# KiCad board OLD_PCB.kicad_pcb
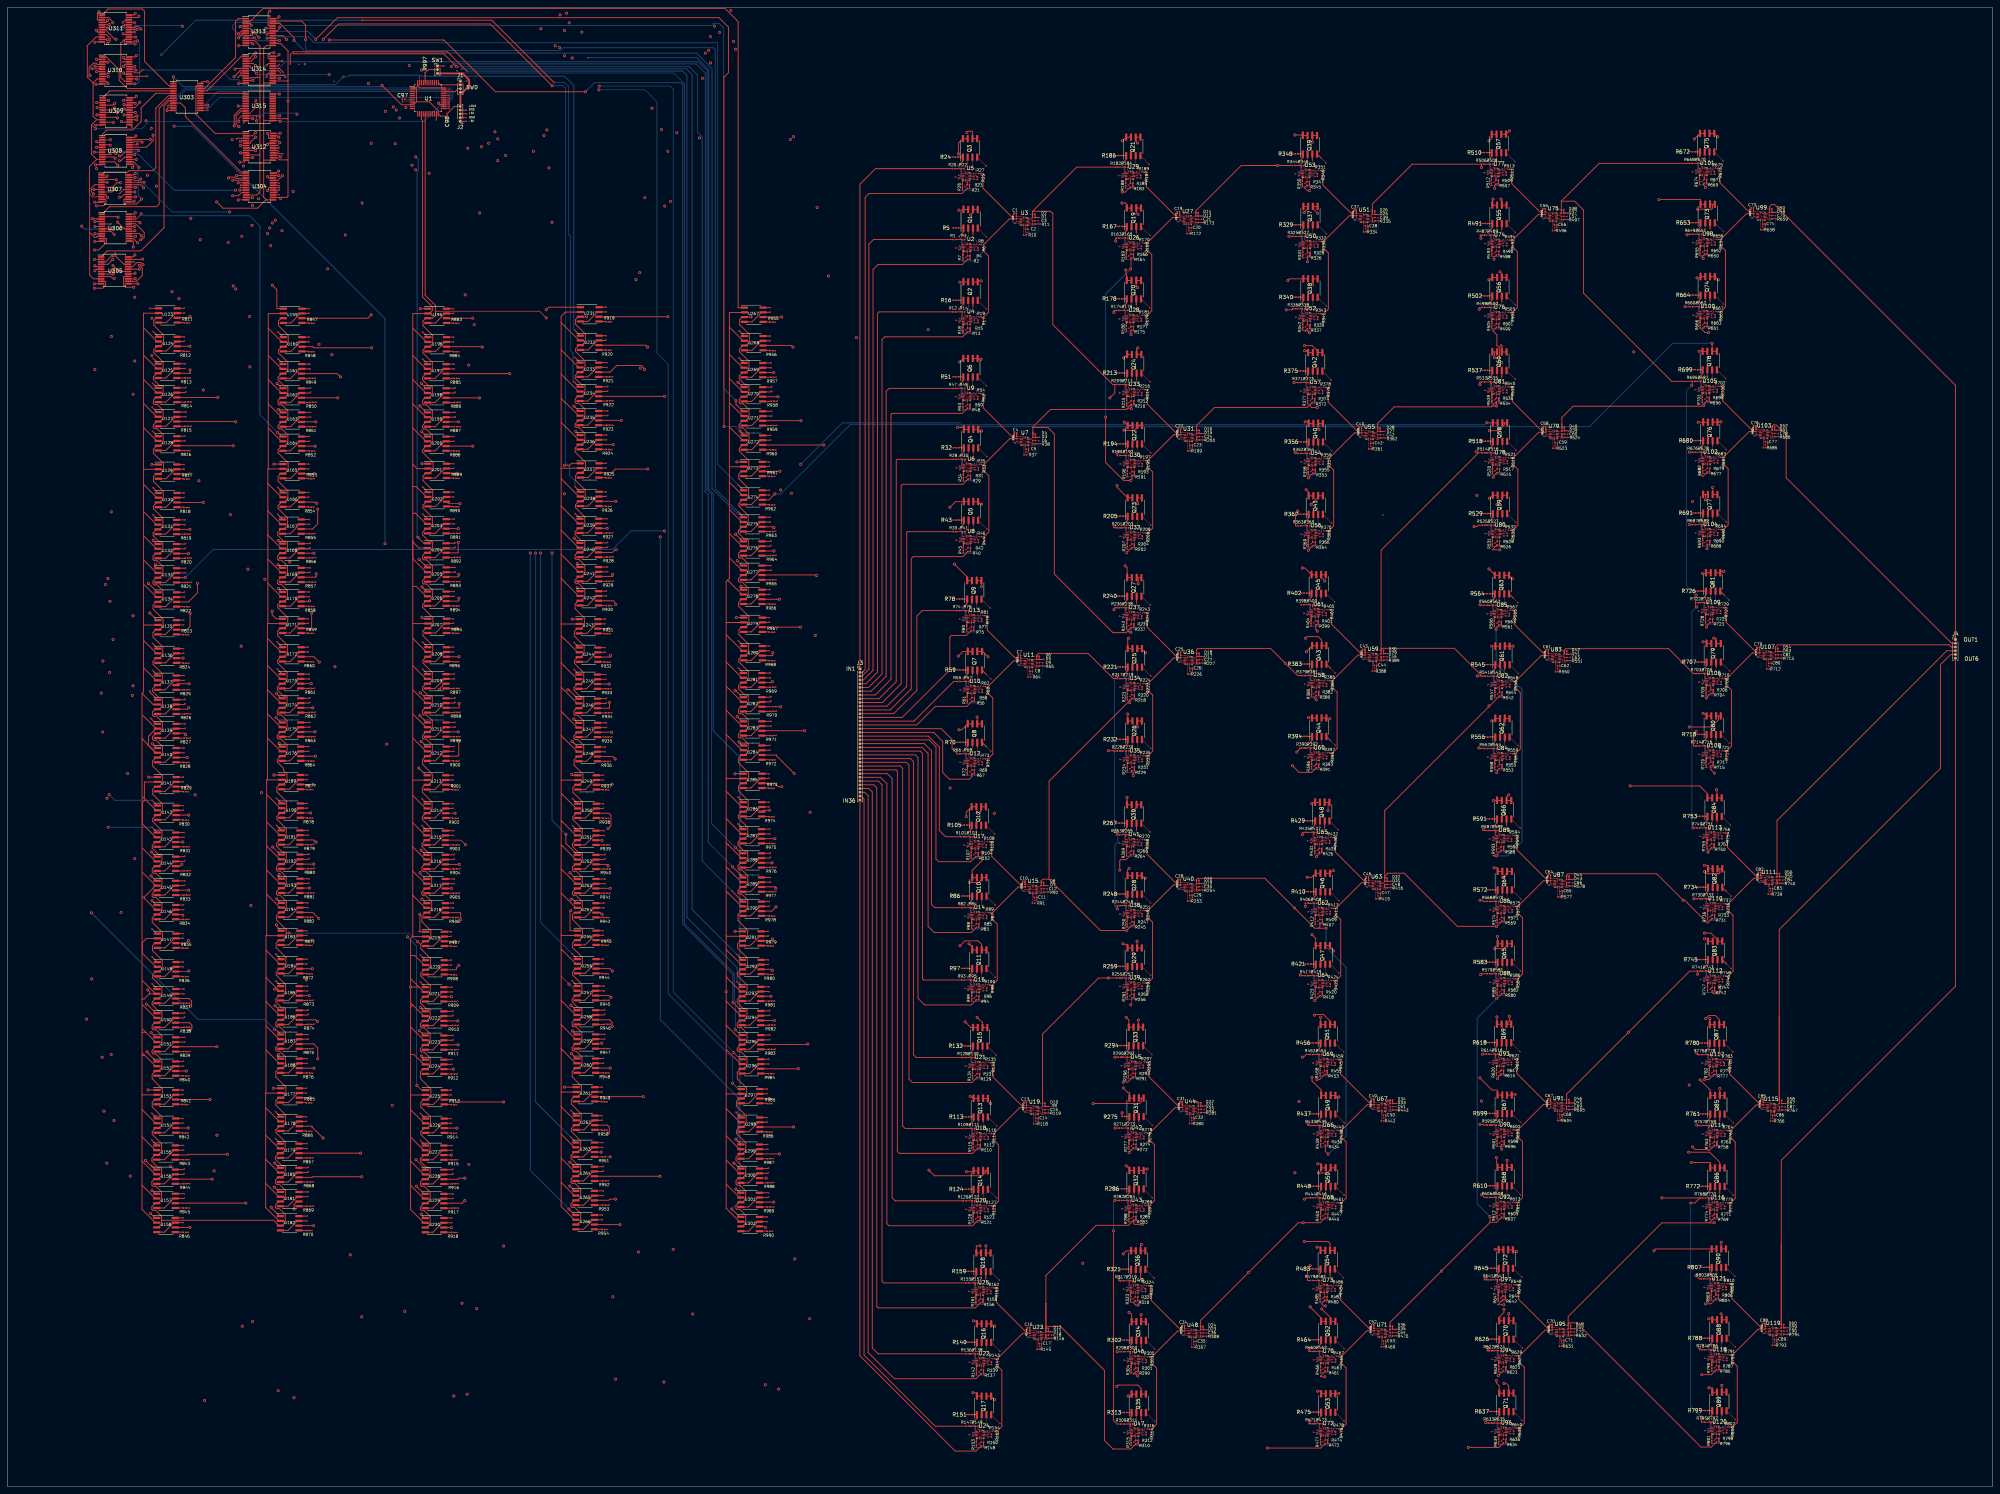
[diagram p0: board, top side]
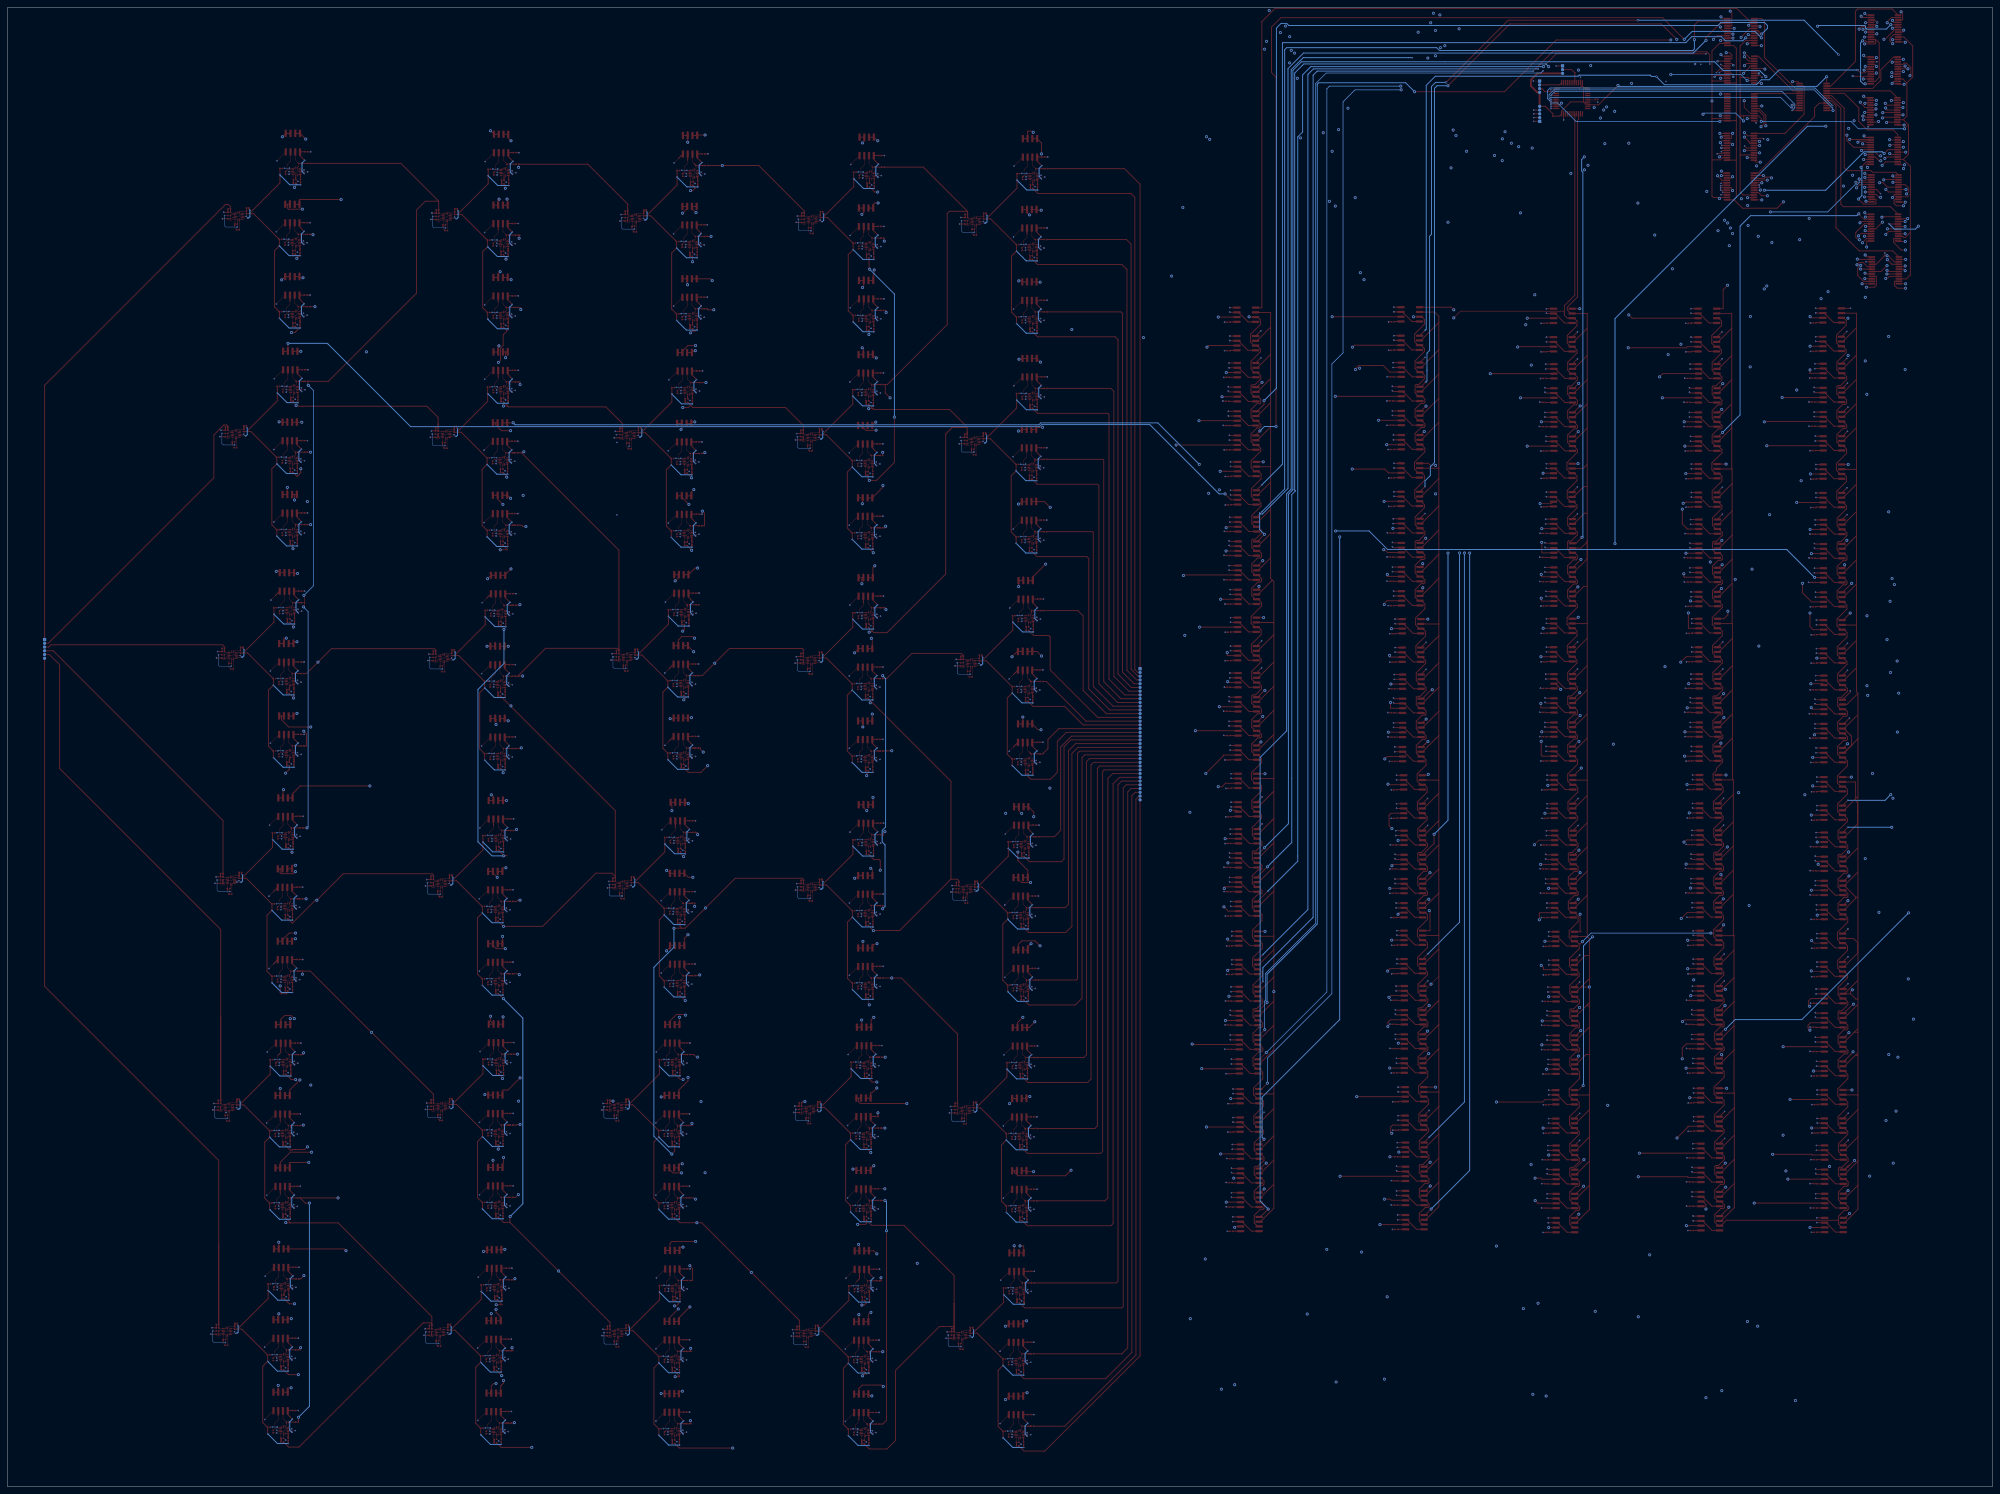
[diagram p1: board, bottom side, seen from below]

Outline 530 x 395 mm; copper layers: Top, In1.Cu, 5V_In2.Cu (plane), GND_In3.Cu (plane), Neg5V_In4.Cu (plane), In2.Cu, In3.Cu, In4.Cu, In5.Cu, Bottom. Coordinates in mm from the lower left corner of the outline.
Outline path: rectangle 0,395 530,0
Stack: Top 0.035mm / dielectric 0.1mm FR4 er 4.5 / In1.Cu 0.035mm / dielectric 0.1825mm FR4 er 4.5 / 5V_In2.Cu 0.035mm / dielectric 0.1mm FR4 er 4.5 / GND_In3.Cu 0.035mm / dielectric 0.1825mm FR4 er 4.5 / Neg5V_In4.Cu 0.035mm / dielectric 0.1mm FR4 er 4.5 / In2.Cu 0.035mm / dielectric 0.1825mm FR4 er 4.5 / In3.Cu 0.035mm / dielectric 0.1mm FR4 er 4.5 / In4.Cu 0.035mm / dielectric 0.1825mm FR4 er 4.5 / In5.Cu 0.035mm / dielectric 0.1mm FR4 er 4.5 / Bottom 0.035mm

## Placement (name value [footprint] x y rotation side)
C1  4.7u  [C_0201_0603Metric]  269.04 340.07 180 top
C2  47u  [C_0201_0603Metric]  272.19 335.76 180 top
C3  0.1u  [C_0201_0603Metric]  274.01 338.04 180 top
C4  4.7u  [C_0201_0603Metric]  269.14 281.37 180 top
C5  47u  [C_0201_0603Metric]  272.29 277.06 180 top
C6  0.1u  [C_0201_0603Metric]  274.11 279.34 180 top
C7  4.7u  [C_0201_0603Metric]  270.18 222.04 180 top
C8  47u  [C_0201_0603Metric]  273.33 217.72 180 top
C9  0.1u  [C_0201_0603Metric]  275.16 220.01 180 top
C10  4.7u  [C_0201_0603Metric]  271.37 161.65 180 top
C11  47u  [C_0201_0603Metric]  274.52 157.33 180 top
C12  0.1u  [C_0201_0603Metric]  276.35 159.62 180 top
C13  4.7u  [C_0201_0603Metric]  271.74 102.67 180 top
C14  47u  [C_0201_0603Metric]  274.89 98.36 180 top
C15  0.1u  [C_0201_0603Metric]  276.71 100.64 180 top
C16  4.7u  [C_0201_0603Metric]  272.62 42.48 180 top
C17  47u  [C_0201_0603Metric]  275.77 38.17 180 top
C18  0.1u  [C_0201_0603Metric]  277.6 40.45 180 top
C19  4.7u  [C_0201_0603Metric]  312.64 340.47 180 top
C20  47u  [C_0201_0603Metric]  315.79 336.16 180 top
C21  0.1u  [C_0201_0603Metric]  317.61 338.44 180 top
C22  4.7u  [C_0201_0603Metric]  312.89 282.41 180 top
C23  47u  [C_0201_0603Metric]  316.04 278.09 180 top
C24  0.1u  [C_0201_0603Metric]  317.86 280.38 180 top
C25  4.7u  [C_0201_0603Metric]  312.89 222.81 180 top
C26  47u  [C_0201_0603Metric]  316.04 218.49 180 top
C27  0.1u  [C_0201_0603Metric]  317.86 220.78 180 top
C28  4.7u  [C_0201_0603Metric]  312.85 162.18 180 top
C29  47u  [C_0201_0603Metric]  316 157.87 180 top
C30  0.1u  [C_0201_0603Metric]  317.83 160.15 180 top
C31  4.7u  [C_0201_0603Metric]  313.34 102.77 180 top
C32  47u  [C_0201_0603Metric]  316.49 98.46 180 top
C33  0.1u  [C_0201_0603Metric]  318.31 100.74 180 top
C34  4.7u  [C_0201_0603Metric]  313.94 43.05 180 top
C35  47u  [C_0201_0603Metric]  317.09 38.73 180 top
C36  0.1u  [C_0201_0603Metric]  318.92 41.01 180 top
C37  4.7u  [C_0201_0603Metric]  359.79 340.91 180 top
C38  47u  [C_0201_0603Metric]  362.94 336.59 180 top
C39  0.1u  [C_0201_0603Metric]  364.76 338.88 180 top
C40  4.7u  [C_0201_0603Metric]  361.2 282.95 180 top
C41  47u  [C_0201_0603Metric]  364.35 278.63 180 top
C42  0.1u  [C_0201_0603Metric]  366.18 280.92 180 top
C43  4.7u  [C_0201_0603Metric]  362.12 223.61 180 top
C44  47u  [C_0201_0603Metric]  365.27 219.29 180 top
C45  0.1u  [C_0201_0603Metric]  367.1 221.58 180 top
C46  4.7u  [C_0201_0603Metric]  363.09 162.81 180 top
C47  47u  [C_0201_0603Metric]  366.24 158.49 180 top
C48  0.1u  [C_0201_0603Metric]  368.06 160.78 180 top
C49  4.7u  [C_0201_0603Metric]  364.54 103.47 180 top
C50  47u  [C_0201_0603Metric]  367.69 99.16 180 top
C51  0.1u  [C_0201_0603Metric]  369.51 101.44 180 top
C52  4.7u  [C_0201_0603Metric]  364.52 43.14 180 top
C53  47u  [C_0201_0603Metric]  367.67 38.82 180 top
C54  0.1u  [C_0201_0603Metric]  369.5 41.11 180 top
C55  4.7u  [C_0201_0603Metric]  410.24 341.26 180 top
C56  47u  [C_0201_0603Metric]  413.39 336.94 180 top
C57  0.1u  [C_0201_0603Metric]  415.22 339.22 180 top
C58  4.7u  [C_0201_0603Metric]  410.39 283.11 180 top
C59  47u  [C_0201_0603Metric]  413.54 278.79 180 top
C60  0.1u  [C_0201_0603Metric]  415.36 281.08 180 top
C61  4.7u  [C_0201_0603Metric]  411.04 223.46 180 top
C62  47u  [C_0201_0603Metric]  414.19 219.14 180 top
C63  0.1u  [C_0201_0603Metric]  416.02 221.42 180 top
C64  4.7u  [C_0201_0603Metric]  411.65 163.31 180 top
C65  47u  [C_0201_0603Metric]  414.8 158.99 180 top
C66  0.1u  [C_0201_0603Metric]  416.62 161.28 180 top
C67  4.7u  [C_0201_0603Metric]  411.62 103.58 180 top
C68  47u  [C_0201_0603Metric]  414.77 99.27 180 top
C69  0.1u  [C_0201_0603Metric]  416.6 101.55 180 top
C70  4.7u  [C_0201_0603Metric]  412.09 43.31 180 top
C71  47u  [C_0201_0603Metric]  415.24 38.99 180 top
C72  0.1u  [C_0201_0603Metric]  417.06 41.28 180 top
C73  4.7u  [C_0201_0603Metric]  465.84 341.47 180 top
C74  47u  [C_0201_0603Metric]  468.99 337.16 180 top
C75  0.1u  [C_0201_0603Metric]  470.81 339.44 180 top
C76  4.7u  [C_0201_0603Metric]  466.54 283.27 180 top
C77  47u  [C_0201_0603Metric]  469.69 278.96 180 top
C78  0.1u  [C_0201_0603Metric]  471.51 281.24 180 top
C79  4.7u  [C_0201_0603Metric]  467.44 224.16 180 top
C80  47u  [C_0201_0603Metric]  470.59 219.84 180 top
C81  0.1u  [C_0201_0603Metric]  472.42 222.12 180 top
C82  4.7u  [C_0201_0603Metric]  467.82 164.01 180 top
C83  47u  [C_0201_0603Metric]  470.97 159.69 180 top
C84  0.1u  [C_0201_0603Metric]  472.8 161.98 180 top
C85  4.7u  [C_0201_0603Metric]  468.44 103.45 180 top
C86  47u  [C_0201_0603Metric]  471.59 99.13 180 top
C87  0.1u  [C_0201_0603Metric]  473.42 101.41 180 top
C88  4.7u  [C_0201_0603Metric]  468.97 43.56 180 top
C89  47u  [C_0201_0603Metric]  472.12 39.24 180 top
C90  0.1u  [C_0201_0603Metric]  473.95 41.53 180 top
C97  0.1u  [C_0201_0603Metric]  105.7 370.5 0 top
C98  0.1u  [C_0201_0603Metric]  117.4 366.3 90 top
D1  D  [D_0201_0603Metric]  274 338.91 180 top
D2  D  [D_0201_0603Metric]  273.99 339.79 0 top
D3  D  [D_0201_0603Metric]  274.1 280.21 180 top
D4  D  [D_0201_0603Metric]  274.09 281.09 0 top
D5  D  [D_0201_0603Metric]  275.14 220.87 180 top
D6  D  [D_0201_0603Metric]  275.13 221.76 0 top
D7  D  [D_0201_0603Metric]  276.33 160.48 180 top
D8  D  [D_0201_0603Metric]  276.32 161.37 0 top
D9  D  [D_0201_0603Metric]  276.7 101.51 180 top
D10  D  [D_0201_0603Metric]  276.69 102.39 0 top
D11  D  [D_0201_0603Metric]  277.58 41.32 180 top
D12  D  [D_0201_0603Metric]  277.57 42.21 0 top
D13  D  [D_0201_0603Metric]  317.6 339.31 180 top
D14  D  [D_0201_0603Metric]  317.59 340.19 0 top
D15  D  [D_0201_0603Metric]  317.85 281.24 180 top
D16  D  [D_0201_0603Metric]  317.84 282.13 0 top
D17  D  [D_0201_0603Metric]  317.85 221.64 180 top
D18  D  [D_0201_0603Metric]  317.84 222.53 0 top
D19  D  [D_0201_0603Metric]  317.81 161.02 180 top
D20  D  [D_0201_0603Metric]  317.8 161.91 0 top
D21  D  [D_0201_0603Metric]  318.3 101.61 180 top
D22  D  [D_0201_0603Metric]  318.29 102.49 0 top
D23  D  [D_0201_0603Metric]  318.9 41.88 180 top
D24  D  [D_0201_0603Metric]  318.89 42.77 0 top
D25  D  [D_0201_0603Metric]  364.75 339.74 180 top
D26  D  [D_0201_0603Metric]  364.74 340.63 0 top
D27  D  [D_0201_0603Metric]  366.16 281.78 180 top
D28  D  [D_0201_0603Metric]  366.15 282.67 0 top
D29  D  [D_0201_0603Metric]  367.09 222.44 180 top
D30  D  [D_0201_0603Metric]  367.08 223.33 0 top
D31  D  [D_0201_0603Metric]  368.05 161.64 180 top
D32  D  [D_0201_0603Metric]  368.04 162.53 0 top
D33  D  [D_0201_0603Metric]  369.5 102.31 180 top
D34  D  [D_0201_0603Metric]  369.49 103.19 0 top
D35  D  [D_0201_0603Metric]  369.48 41.97 180 top
D36  D  [D_0201_0603Metric]  369.47 42.86 0 top
D37  D  [D_0201_0603Metric]  415.2 340.09 180 top
D38  D  [D_0201_0603Metric]  415.19 340.98 0 top
D39  D  [D_0201_0603Metric]  415.35 281.94 180 top
D40  D  [D_0201_0603Metric]  415.34 282.83 0 top
D41  D  [D_0201_0603Metric]  416 222.29 180 top
D42  D  [D_0201_0603Metric]  415.99 223.18 0 top
D43  D  [D_0201_0603Metric]  416.61 162.14 180 top
D44  D  [D_0201_0603Metric]  416.6 163.03 0 top
D45  D  [D_0201_0603Metric]  416.58 102.42 180 top
D46  D  [D_0201_0603Metric]  416.57 103.31 0 top
D47  D  [D_0201_0603Metric]  417.05 42.14 180 top
D48  D  [D_0201_0603Metric]  417.04 43.03 0 top
D49  D  [D_0201_0603Metric]  470.8 340.31 180 top
D50  D  [D_0201_0603Metric]  470.79 341.19 0 top
D51  D  [D_0201_0603Metric]  471.5 282.11 180 top
D52  D  [D_0201_0603Metric]  471.49 282.99 0 top
D53  D  [D_0201_0603Metric]  472.4 222.99 180 top
D54  D  [D_0201_0603Metric]  472.39 223.88 0 top
D55  D  [D_0201_0603Metric]  472.79 162.84 180 top
D56  D  [D_0201_0603Metric]  472.78 163.73 0 top
D57  D  [D_0201_0603Metric]  473.4 102.28 180 top
D58  D  [D_0201_0603Metric]  473.39 103.17 0 top
D59  D  [D_0201_0603Metric]  473.93 42.39 180 top
D60  D  [D_0201_0603Metric]  473.92 43.28 0 top
J1  Conn_01x04_Male  [PinHeader_1x04_P1.00mm_Vertical]  120.93 375.33 0 top
J2  Conn_01x05_Male  [PinHeader_1x05_P1.00mm_Vertical]  120.9 364.6 180 top
J3  Conn_01x36_Male  [PinHeader_1x36_P1.00mm_Vertical]  227.6 218.4 0 top
J4  Conn_01x06_Male  [PinHeader_1x06_P1.00mm_Vertical]  520.1 226.2 0 top
Q1  IRF7324  [SOIC-8_3.9x4.9mm_P1.27mm]  257.15 338.56 90 top
Q2  IRF7324  [SOIC-8_3.9x4.9mm_P1.27mm]  257.14 319.24 90 top
Q3  IRF7324  [SOIC-8_3.9x4.9mm_P1.27mm]  257 357.5 90 top
Q4  IRF7324  [SOIC-8_3.9x4.9mm_P1.27mm]  257.25 279.86 90 top
Q5  IRF7324  [SOIC-8_3.9x4.9mm_P1.27mm]  257.24 260.54 90 top
Q6  IRF7324  [SOIC-8_3.9x4.9mm_P1.27mm]  257.1 298.8 90 top
Q7  IRF7324  [SOIC-8_3.9x4.9mm_P1.27mm]  258.29 220.53 90 top
Q8  IRF7324  [SOIC-8_3.9x4.9mm_P1.27mm]  258.29 201.2 90 top
Q9  IRF7324  [SOIC-8_3.9x4.9mm_P1.27mm]  258.14 239.46 90 top
Q10  IRF7324  [SOIC-8_3.9x4.9mm_P1.27mm]  259.48 160.14 90 top
Q11  IRF7324  [SOIC-8_3.9x4.9mm_P1.27mm]  259.48 140.81 90 top
Q12  IRF7324  [SOIC-8_3.9x4.9mm_P1.27mm]  259.33 179.08 90 top
Q13  IRF7324  [SOIC-8_3.9x4.9mm_P1.27mm]  259.85 101.16 90 top
Q14  IRF7324  [SOIC-8_3.9x4.9mm_P1.27mm]  259.84 81.84 90 top
Q15  IRF7324  [SOIC-8_3.9x4.9mm_P1.27mm]  259.7 120.1 90 top
Q16  IRF7324  [SOIC-8_3.9x4.9mm_P1.27mm]  260.73 40.98 90 top
Q17  IRF7324  [SOIC-8_3.9x4.9mm_P1.27mm]  260.73 21.65 90 top
Q18  IRF7324  [SOIC-8_3.9x4.9mm_P1.27mm]  260.59 59.91 90 top
Q19  IRF7324  [SOIC-8_3.9x4.9mm_P1.27mm]  300.75 338.96 90 top
Q20  IRF7324  [SOIC-8_3.9x4.9mm_P1.27mm]  300.74 319.64 90 top
Q21  IRF7324  [SOIC-8_3.9x4.9mm_P1.27mm]  300.6 357.9 90 top
Q22  IRF7324  [SOIC-8_3.9x4.9mm_P1.27mm]  301 280.9 90 top
Q23  IRF7324  [SOIC-8_3.9x4.9mm_P1.27mm]  301 261.58 90 top
Q24  IRF7324  [SOIC-8_3.9x4.9mm_P1.27mm]  300.85 299.84 90 top
Q25  IRF7324  [SOIC-8_3.9x4.9mm_P1.27mm]  301 221.3 90 top
Q26  IRF7324  [SOIC-8_3.9x4.9mm_P1.27mm]  301 201.98 90 top
Q27  IRF7324  [SOIC-8_3.9x4.9mm_P1.27mm]  300.85 240.24 90 top
Q28  IRF7324  [SOIC-8_3.9x4.9mm_P1.27mm]  300.96 160.68 90 top
Q29  IRF7324  [SOIC-8_3.9x4.9mm_P1.27mm]  300.96 141.35 90 top
Q30  IRF7324  [SOIC-8_3.9x4.9mm_P1.27mm]  300.82 179.61 90 top
Q31  IRF7324  [SOIC-8_3.9x4.9mm_P1.27mm]  301.45 101.26 90 top
Q32  IRF7324  [SOIC-8_3.9x4.9mm_P1.27mm]  301.44 81.94 90 top
Q33  IRF7324  [SOIC-8_3.9x4.9mm_P1.27mm]  301.3 120.2 90 top
Q34  IRF7324  [SOIC-8_3.9x4.9mm_P1.27mm]  302.05 41.54 90 top
Q35  IRF7324  [SOIC-8_3.9x4.9mm_P1.27mm]  302.05 22.21 90 top
Q36  IRF7324  [SOIC-8_3.9x4.9mm_P1.27mm]  301.9 60.47 90 top
Q37  IRF7324  [SOIC-8_3.9x4.9mm_P1.27mm]  347.9 339.4 90 top
Q38  IRF7324  [SOIC-8_3.9x4.9mm_P1.27mm]  347.89 320.08 90 top
Q39  IRF7324  [SOIC-8_3.9x4.9mm_P1.27mm]  347.75 358.34 90 top
Q40  IRF7324  [SOIC-8_3.9x4.9mm_P1.27mm]  349.31 281.44 90 top
Q41  IRF7324  [SOIC-8_3.9x4.9mm_P1.27mm]  349.31 262.11 90 top
Q42  IRF7324  [SOIC-8_3.9x4.9mm_P1.27mm]  349.16 300.37 90 top
Q43  IRF7324  [SOIC-8_3.9x4.9mm_P1.27mm]  350.24 222.1 90 top
Q44  IRF7324  [SOIC-8_3.9x4.9mm_P1.27mm]  350.23 202.77 90 top
Q45  IRF7324  [SOIC-8_3.9x4.9mm_P1.27mm]  350.09 241.03 90 top
Q46  IRF7324  [SOIC-8_3.9x4.9mm_P1.27mm]  351.2 161.3 90 top
Q47  IRF7324  [SOIC-8_3.9x4.9mm_P1.27mm]  351.19 141.98 90 top
Q48  IRF7324  [SOIC-8_3.9x4.9mm_P1.27mm]  351.05 180.24 90 top
Q49  IRF7324  [SOIC-8_3.9x4.9mm_P1.27mm]  352.65 101.96 90 top
Q50  IRF7324  [SOIC-8_3.9x4.9mm_P1.27mm]  352.64 82.64 90 top
Q51  IRF7324  [SOIC-8_3.9x4.9mm_P1.27mm]  352.5 120.9 90 top
Q52  IRF7324  [SOIC-8_3.9x4.9mm_P1.27mm]  352.63 41.63 90 top
Q53  IRF7324  [SOIC-8_3.9x4.9mm_P1.27mm]  352.63 22.31 90 top
Q54  IRF7324  [SOIC-8_3.9x4.9mm_P1.27mm]  352.49 60.57 90 top
Q55  IRF7324  [SOIC-8_3.9x4.9mm_P1.27mm]  398.35 339.75 90 top
Q56  IRF7324  [SOIC-8_3.9x4.9mm_P1.27mm]  398.35 320.42 90 top
Q57  IRF7324  [SOIC-8_3.9x4.9mm_P1.27mm]  398.2 358.68 90 top
Q58  IRF7324  [SOIC-8_3.9x4.9mm_P1.27mm]  398.5 281.6 90 top
Q59  IRF7324  [SOIC-8_3.9x4.9mm_P1.27mm]  398.5 262.28 90 top
Q60  IRF7324  [SOIC-8_3.9x4.9mm_P1.27mm]  398.35 300.54 90 top
Q61  IRF7324  [SOIC-8_3.9x4.9mm_P1.27mm]  399.15 221.95 90 top
Q62  IRF7324  [SOIC-8_3.9x4.9mm_P1.27mm]  399.15 202.62 90 top
Q63  IRF7324  [SOIC-8_3.9x4.9mm_P1.27mm]  399 240.88 90 top
Q64  IRF7324  [SOIC-8_3.9x4.9mm_P1.27mm]  399.76 161.8 90 top
Q65  IRF7324  [SOIC-8_3.9x4.9mm_P1.27mm]  399.75 142.48 90 top
Q66  IRF7324  [SOIC-8_3.9x4.9mm_P1.27mm]  399.61 180.74 90 top
Q67  IRF7324  [SOIC-8_3.9x4.9mm_P1.27mm]  399.73 102.08 90 top
Q68  IRF7324  [SOIC-8_3.9x4.9mm_P1.27mm]  399.73 82.75 90 top
Q69  IRF7324  [SOIC-8_3.9x4.9mm_P1.27mm]  399.59 121.01 90 top
Q70  IRF7324  [SOIC-8_3.9x4.9mm_P1.27mm]  400.2 41.8 90 top
Q71  IRF7324  [SOIC-8_3.9x4.9mm_P1.27mm]  400.19 22.48 90 top
Q72  IRF7324  [SOIC-8_3.9x4.9mm_P1.27mm]  400.05 60.74 90 top
Q73  IRF7324  [SOIC-8_3.9x4.9mm_P1.27mm]  453.95 339.96 90 top
Q74  IRF7324  [SOIC-8_3.9x4.9mm_P1.27mm]  453.94 320.64 90 top
Q75  IRF7324  [SOIC-8_3.9x4.9mm_P1.27mm]  453.8 358.9 90 top
Q76  IRF7324  [SOIC-8_3.9x4.9mm_P1.27mm]  454.65 281.76 90 top
Q77  IRF7324  [SOIC-8_3.9x4.9mm_P1.27mm]  454.64 262.44 90 top
Q78  IRF7324  [SOIC-8_3.9x4.9mm_P1.27mm]  454.5 300.7 90 top
Q79  IRF7324  [SOIC-8_3.9x4.9mm_P1.27mm]  455.55 222.65 90 top
Q80  IRF7324  [SOIC-8_3.9x4.9mm_P1.27mm]  455.55 203.32 90 top
Q81  IRF7324  [SOIC-8_3.9x4.9mm_P1.27mm]  455.4 241.58 90 top
Q82  IRF7324  [SOIC-8_3.9x4.9mm_P1.27mm]  455.94 162.5 90 top
Q83  IRF7324  [SOIC-8_3.9x4.9mm_P1.27mm]  455.93 143.17 90 top
Q84  IRF7324  [SOIC-8_3.9x4.9mm_P1.27mm]  455.79 181.43 90 top
Q85  IRF7324  [SOIC-8_3.9x4.9mm_P1.27mm]  456.55 101.94 90 top
Q86  IRF7324  [SOIC-8_3.9x4.9mm_P1.27mm]  456.55 82.61 90 top
Q87  IRF7324  [SOIC-8_3.9x4.9mm_P1.27mm]  456.4 120.87 90 top
Q88  IRF7324  [SOIC-8_3.9x4.9mm_P1.27mm]  457.08 42.05 90 top
Q89  IRF7324  [SOIC-8_3.9x4.9mm_P1.27mm]  457.08 22.73 90 top
Q90  IRF7324  [SOIC-8_3.9x4.9mm_P1.27mm]  456.94 60.99 90 top
R1  1k  [R_0201_0603Metric]  252.8 333.03 0 top
R2  1k  [R_0201_0603Metric]  256.69 327.74 0 top
R3  1k  [R_0201_0603Metric]  255.24 333.03 0 top
R4  1k  [R_0201_0603Metric]  256.69 328.71 180 top
R5  200k  [R_0201_0603Metric]  253.6 336.13 0 top
R6  200k  [R_0201_0603Metric]  259.13 330.49 90 top
R7  1k  [R_0201_0603Metric]  255.12 328.43 270 top
R8  1k  [R_0201_0603Metric]  260.32 331.68 0 top
R9  1k  [R_0201_0603Metric]  269.39 338.85 90 top
R10  1k  [R_0201_0603Metric]  271.65 334.23 0 top
R11  100k  [R_0201_0603Metric]  274.01 337.18 0 top
R12  1k  [R_0201_0603Metric]  252.79 313.7 0 top
R13  1k  [R_0201_0603Metric]  256.69 308.42 0 top
R14  1k  [R_0201_0603Metric]  255.24 313.7 0 top
R15  1k  [R_0201_0603Metric]  256.69 309.38 180 top
R16  200k  [R_0201_0603Metric]  253.59 316.8 0 top
R17  200k  [R_0201_0603Metric]  259.13 311.16 90 top
R18  1k  [R_0201_0603Metric]  255.11 309.1 270 top
R19  1k  [R_0201_0603Metric]  260.32 312.36 0 top
R20  1k  [R_0201_0603Metric]  252.65 351.96 0 top
R21  1k  [R_0201_0603Metric]  256.54 346.68 0 top
R22  1k  [R_0201_0603Metric]  255.09 351.96 0 top
R23  1k  [R_0201_0603Metric]  256.54 347.64 180 top
R24  200k  [R_0201_0603Metric]  253.45 355.06 0 top
R25  200k  [R_0201_0603Metric]  258.98 349.42 90 top
R26  1k  [R_0201_0603Metric]  254.97 347.37 270 top
R27  1k  [R_0201_0603Metric]  260.17 350.62 0 top
R28  1k  [R_0201_0603Metric]  252.9 274.33 0 top
R29  1k  [R_0201_0603Metric]  256.79 269.04 0 top
R30  1k  [R_0201_0603Metric]  255.34 274.33 0 top
R31  1k  [R_0201_0603Metric]  256.79 270.01 180 top
R32  200k  [R_0201_0603Metric]  253.7 277.43 0 top
R33  200k  [R_0201_0603Metric]  259.23 271.79 90 top
R34  1k  [R_0201_0603Metric]  255.22 269.73 270 top
R35  1k  [R_0201_0603Metric]  260.42 272.98 0 top
R36  1k  [R_0201_0603Metric]  269.49 280.15 90 top
R37  1k  [R_0201_0603Metric]  271.75 275.53 0 top
R38  100k  [R_0201_0603Metric]  274.11 278.48 0 top
R39  1k  [R_0201_0603Metric]  252.89 255 0 top
R40  1k  [R_0201_0603Metric]  256.79 249.72 0 top
R41  1k  [R_0201_0603Metric]  255.34 255 0 top
R42  1k  [R_0201_0603Metric]  256.79 250.68 180 top
R43  200k  [R_0201_0603Metric]  253.69 258.1 0 top
R44  200k  [R_0201_0603Metric]  259.23 252.46 90 top
R45  1k  [R_0201_0603Metric]  255.21 250.4 270 top
R46  1k  [R_0201_0603Metric]  260.42 253.66 0 top
R47  1k  [R_0201_0603Metric]  252.75 293.26 0 top
R48  1k  [R_0201_0603Metric]  256.64 287.98 0 top
R49  1k  [R_0201_0603Metric]  255.2 293.26 0 top
R50  1k  [R_0201_0603Metric]  256.64 288.94 180 top
R51  200k  [R_0201_0603Metric]  253.55 296.36 0 top
R52  200k  [R_0201_0603Metric]  259.08 290.72 90 top
R53  1k  [R_0201_0603Metric]  255.07 288.67 270 top
R54  1k  [R_0201_0603Metric]  260.27 291.92 0 top
R55  1k  [R_0201_0603Metric]  253.94 214.99 0 top
R56  1k  [R_0201_0603Metric]  257.84 209.71 0 top
R57  1k  [R_0201_0603Metric]  256.39 214.99 0 top
R58  1k  [R_0201_0603Metric]  257.84 210.67 180 top
R59  200k  [R_0201_0603Metric]  254.74 218.09 0 top
R60  200k  [R_0201_0603Metric]  260.27 212.45 90 top
R61  1k  [R_0201_0603Metric]  256.26 210.39 270 top
R62  1k  [R_0201_0603Metric]  261.47 213.64 0 top
R63  1k  [R_0201_0603Metric]  270.53 220.82 90 top
R64  1k  [R_0201_0603Metric]  272.8 216.2 0 top
R65  100k  [R_0201_0603Metric]  275.16 219.14 0 top
R66  1k  [R_0201_0603Metric]  253.94 195.67 0 top
R67  1k  [R_0201_0603Metric]  257.83 190.38 0 top
R68  1k  [R_0201_0603Metric]  256.38 195.67 0 top
R69  1k  [R_0201_0603Metric]  257.83 191.35 180 top
R70  200k  [R_0201_0603Metric]  254.74 198.77 0 top
R71  200k  [R_0201_0603Metric]  260.27 193.13 90 top
R72  1k  [R_0201_0603Metric]  256.26 191.07 270 top
R73  1k  [R_0201_0603Metric]  261.46 194.32 0 top
R74  1k  [R_0201_0603Metric]  253.79 233.93 0 top
R75  1k  [R_0201_0603Metric]  257.69 228.64 0 top
R76  1k  [R_0201_0603Metric]  256.24 233.93 0 top
R77  1k  [R_0201_0603Metric]  257.69 229.61 180 top
R78  200k  [R_0201_0603Metric]  254.59 237.03 0 top
R79  200k  [R_0201_0603Metric]  260.12 231.39 90 top
R80  1k  [R_0201_0603Metric]  256.11 229.33 270 top
R81  1k  [R_0201_0603Metric]  261.32 232.58 0 top